# KiCad board ergodonk-elite-c.kicad_pcb (continued)
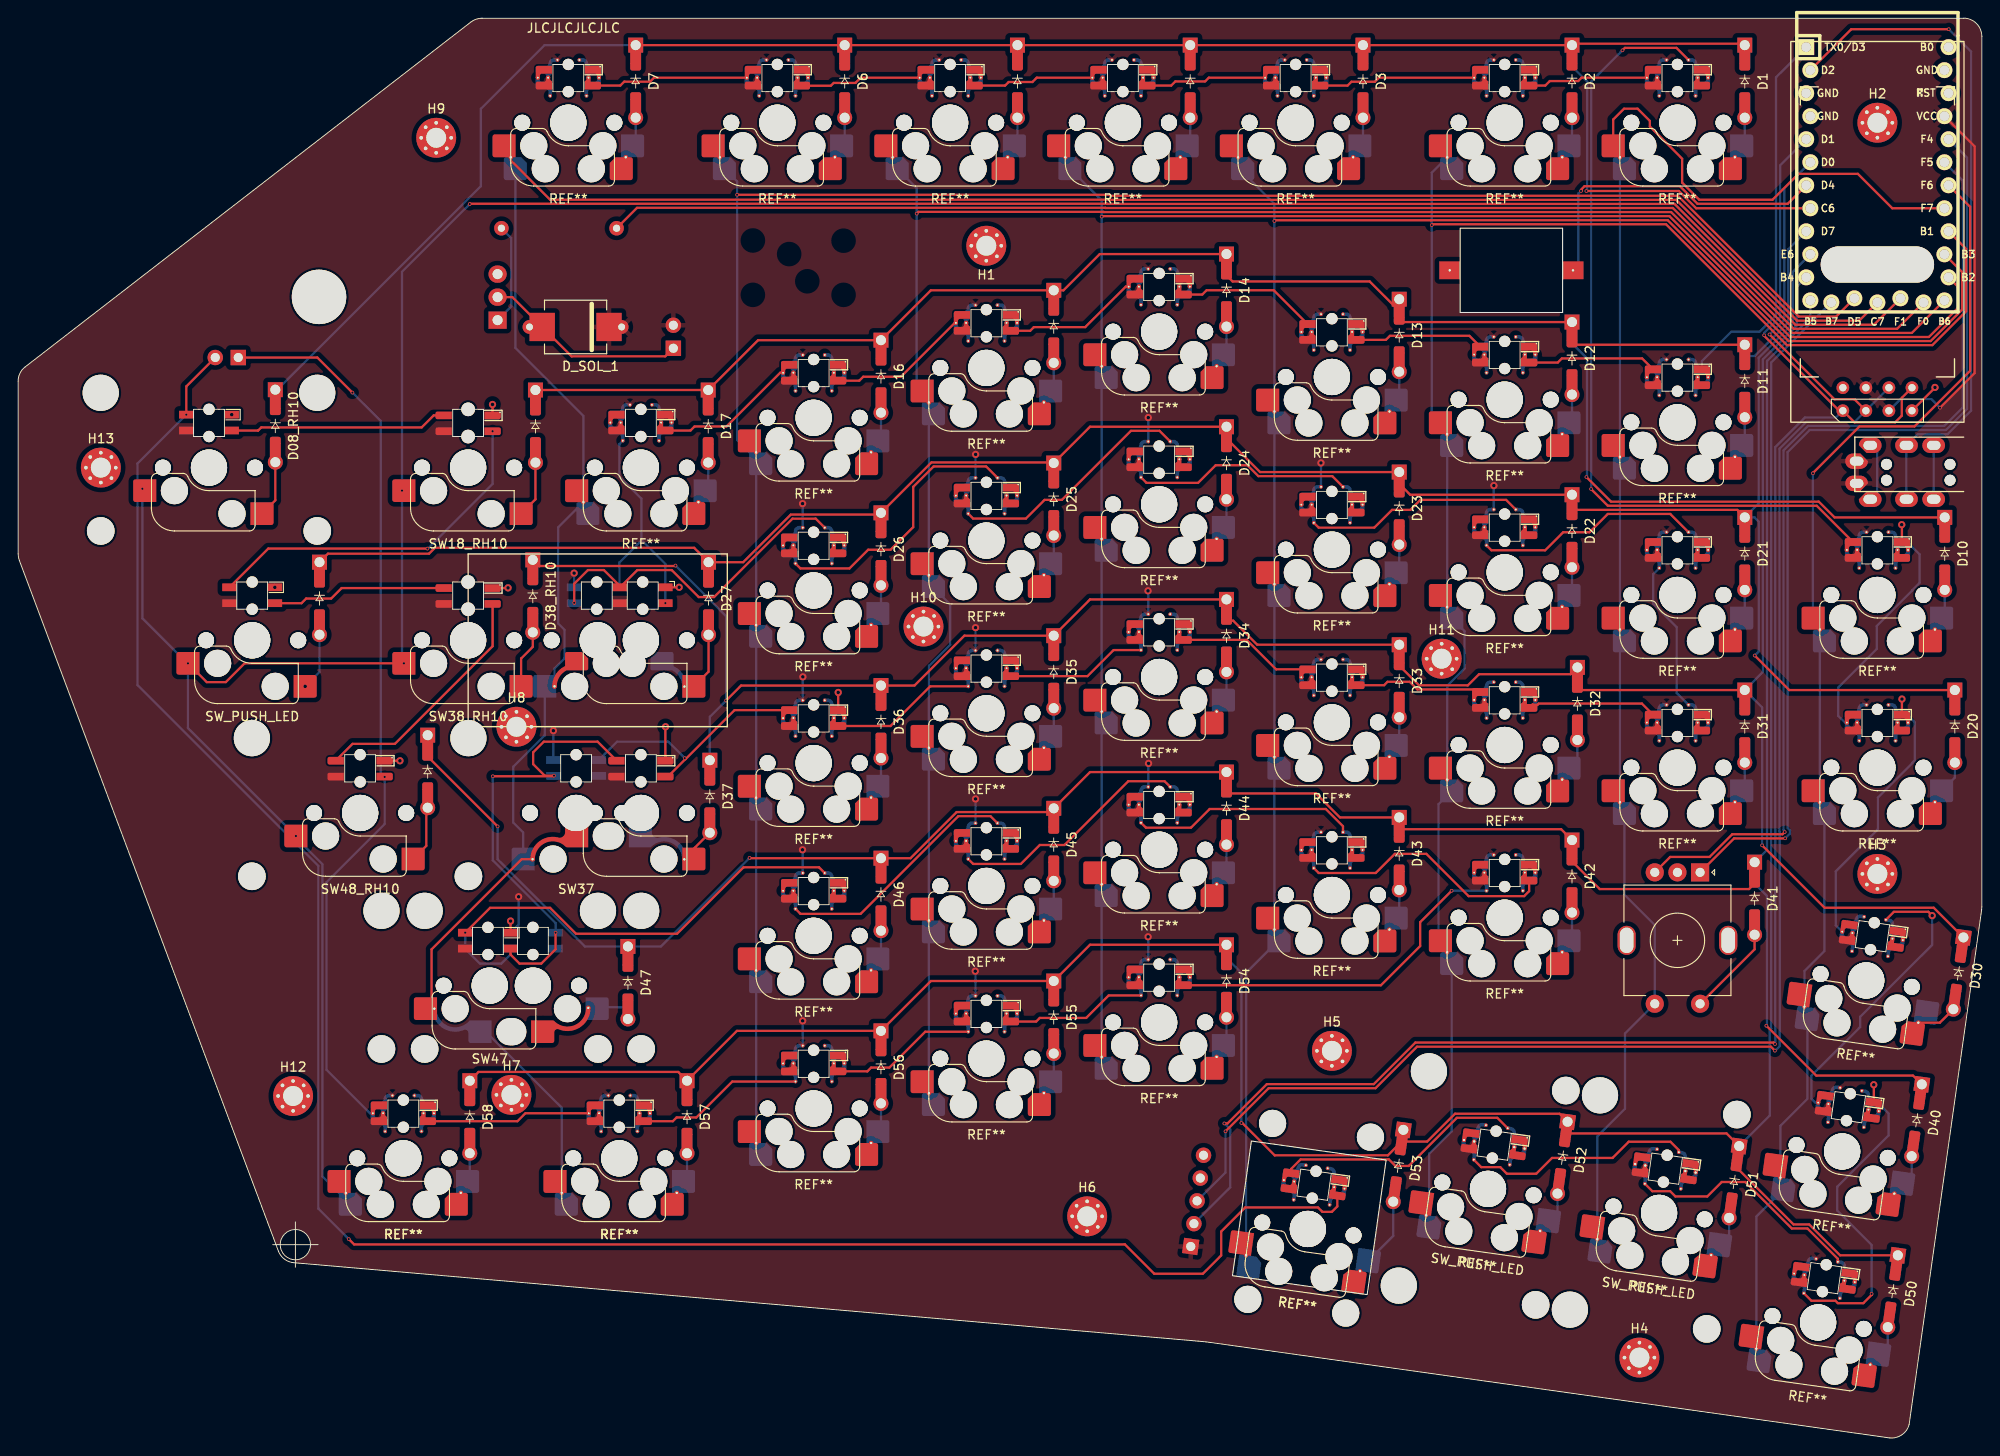
[diagram p0: board, top side]
## Footprints (pads in the part's own frame, mm; a bottom-side part is the same pattern mirrored in y, then rotated) (continued)
  custom 2.5x2.5 smd far side: 5(7.085,-2.54)
  round 0.5 hole 0.25: 5(11.933,-5.114) 6(-4.796,-5.102)
  rrect 2.55x2.5 smd: 5(12.986,-5.08)
  rrect 2.55x2.5 smd far side: 6(-5.842,-5.08)
  custom 2.5x2.5 smd: 6(0.059,-2.54)
V2_CherryMX_DoubleSided_Hotswap_miniE_2.25u_LH_2.75u_RH
  round 3.988 hole 3.988 unplated: (-11.938,7.931) (-7.176,7.931) (0,-0.324) (0,-0.324) (4.763,-0.324) (4.763,-0.324) (11.938,7.931) (16.701,7.931)
  round 3.048 hole 3.048 unplated: (-11.938,-7.309) (-7.176,-7.309) (11.938,-7.309) (16.701,-7.309)
  round 1.75 hole 1.75 unplated: (-5.08,-0.324) (-5.08,-0.324) (-0.318,-0.324) (-0.318,-0.324) (5.08,-0.324) (5.08,-0.324) (9.842,-0.324) (9.842,-0.324)
  round 3 hole 3 unplated: (-3.81,-2.864) (2.223,-5.404) (2.54,-5.404) (8.572,-2.864)
  round 1.25 hole 1.25 unplated: (-0.2,6.105) (-0.19,3.106) (4.763,6.105) (4.763,3.106)
  rect 1.6x0.85 smd: 1(-2.7,3.77) 2(-2.7,5.52) 3(2.3,5.52) 4(2.3,3.77)
  rect 1.6x0.85 smd far side: 1(2.263,5.52) 2(2.263,3.77) 3(7.263,3.77) 4(7.263,5.52)
  custom 6.551x4.116 smd: 5(5.842,-5.404)
  round 0.5 hole 0.25: 5(10.87,-2.78) 6(-6.107,-2.864)
  rrect 2.55x2.5 smd far side: 5(11.848,-2.864)
  rrect 2.55x2.5 smd: 6(-7.085,-2.864)
  custom 6.552x4.04 smd far side: 6(-1.079,-5.404)
V2_CherryMX_DoubleSided_Hotswap_miniE_2.25u_RH_ONLY
  round 3.988 hole 3.988 unplated: (-11.938,8.255) (0,0) (0,0) (11.938,8.255)
  round 3.048 hole 3.048 unplated: (-11.938,-6.985) (11.938,-6.985)
  round 1.75 hole 1.75 unplated: (-5.08,0) (-5.08,0) (5.08,0) (5.08,0)
  round 3 hole 3 unplated: (-3.81,-2.54) (2.54,-5.08)
  rrect 1.82x0.85 smd: (-2.69,4.015)
  rrect 1.82x0.84 smd: (-2.69,5.765) (2.69,4.02)
  round 1.25 hole 1.25 unplated: (0,6.429) (0,3.43)
  rect 1.38x0.84 smd: (2.47,5.77)
  rrect 1.49x0.84 smd: (2.855,5.77)
  custom 1.8x0.85 smd: 1(-2.7,4.015) 2(-2.7,5.765) 3(2.7,5.76) 4(2.7,4.015)
  rrect 2.55x2.5 smd: 5(5.842,-5.08) 6(-7.085,-2.54)
V2_CherryMX_DoubleSided_Hotswap_miniE_2u_RH_ONLY
  round 3.988 hole 3.988 unplated: (-11.938,8.255) (0,0) (0,0) (11.938,8.255)
  round 3.048 hole 3.048 unplated: (-11.938,-6.985) (11.938,-6.985)
  round 1.75 hole 1.75 unplated: (-5.08,0) (-5.08,0) (5.08,0) (5.08,0)
  round 3 hole 3 unplated: (-3.81,-2.54) (2.54,-5.08)
  round 1.25 hole 1.25 unplated: (0,6.43) (0,3.43)
  rect 1.6x0.85 smd: 1(-2.5,4.095) 2(-2.5,5.845) 3(2.5,5.845) 4(2.5,4.095)
  rrect 2.55x2.5 smd: 5(5.842,-5.08) 6(-7.085,-2.54)
V2_CherryMX_DoubleSided_Hotswap_miniE_2u_Vertical
  round 3.988 hole 3.988 unplated: (-8.255,11.938) (-8.255,-11.938) (0,0) (0,0)
  round 1.75 hole 1.75 unplated: (-5.08,0) (-5.08,0) (5.08,0) (5.08,0)
  round 3 hole 3 unplated: (-3.81,-2.54) (-2.54,-5.08) (2.54,-5.08) (3.81,-2.54)
  rrect 1.82x0.85 smd: (-2.69,5.845) (-2.69,4.095)
  rrect 1.82x0.84 smd: (-2.69,4.095) (2.69,5.84)
  rrect 1.83x0.85 smd: (-2.685,5.855) (2.685,4.095)
  round 1.25 hole 1.25 unplated: (0,6.43) (0,3.43)
  rect 1.38x0.84 smd: (2.47,5.85) (2.47,4.09)
  rrect 1.49x0.84 smd: (2.855,5.85) (2.855,4.09)
  round 3.048 hole 3.048 unplated: (6.985,11.938) (6.985,-11.938)
  custom 1.8x1.524 smd: 1(-2.7,4.095)
  custom 2.58x2.385 smd far side: 1(-2.7,5.845) 4(2.7,5.845)
  round 0.45 hole 0.25: 1(-2.234,4.969) 2(-3.368,4.97) 3(3.38,4.97) 4(2.225,4.97)
  round 0.4 hole 0.2: 1(-1.2,6.93) 2(-2,2.97) 3(2,2.97) 4(1.22,6.93)
  custom 1.805x2.425 smd far side: 2(-2.7,4.095) 3(2.7,4.1)
  custom 1.8x1.525 smd: 2(-2.693,5.845)
  custom 1.81x1.362 smd: 3(2.705,5.845)
  custom 1.81x1.525 smd: 4(2.7,4.095)
  rrect 2.543x2.52 smd: 5(5.838,-5.07)
  round 0.5 hole 0.25: 5(6.34,-3.81) 6(-6.34,-3.81)
  rrect 2.55x2.52 smd far side: 5(7.085,-2.55)
  rrect 2.55x2.52 smd: 6(-7.085,-2.55)
  rrect 2.553x2.52 smd far side: 6(-5.843,-5.07)
V2_CherryMX_DS_Hotswap_miniE_1U_SEED_RH
  round 1.75 hole 1.75 unplated: (-5.08,0) (-5.08,0) (5.08,0) (5.08,0)
  round 3 hole 3 unplated: (-3.81,-2.54) (2.54,-5.08)
  rrect 1.82x0.85 smd: (-2.69,4.015)
  rrect 1.82x0.84 smd: (-2.69,5.765) (2.69,4.02)
  round 1.5 hole 1.5 unplated: (0,6.429) (0,3.43)
  round 3.988 hole 3.988 unplated: (0,0) (0,0)
  rect 1.38x0.84 smd: (2.47,5.77)
  rrect 1.49x0.84 smd: (2.855,5.77)
  custom 1.8x0.85 smd: 1(-2.7,4.015) 2(-2.7,5.765) 3(2.7,5.76) 4(2.7,4.015)
  rrect 2.55x2.5 smd: 5(5.842,-5.08) 6(-7.085,-2.54)

## Nets
GND: J10.5 J11.2 LS10.2 OL10.4 Q1.3 SW1.3 SW2.3 SW3.3 SW4.3 SW5.3 SW6.3 SW7.3 SW08_RH10.3 SW10.3 SW11.3 SW12.3 SW13.3 SW14.3 SW15.3 SW16.3 SW17.3 SW18_RH10.3 SW20.3 SW21.3 SW22.3 SW23.3 SW24.3 SW25.3 SW26.3 SW27.3 SW28_RH10.3 SW30.3 SW31.3 SW32.3 SW33.3 SW34.3 SW35.3 SW36.3 SW37.3 SW38_RH10.3 SW40.3 SW42.3 SW43.3 SW44.3 SW45.3 SW46.3 SW47.3 SW48_RH10.3 SW50.3 SW51.3 SW52.3 SW53.3 SW54.3 SW55.3 SW56.3 SW57.3 SW58.3 SWLH_ROT1.C U10.3 U10.4 U10.23
VCC: D_SOL_1.C J10.1 J11.1 J_SOL_1.2 OL10.3 SW1.1 SW2.1 SW3.1 SW4.1 SW5.1 SW6.1 SW7.1 SW08_RH10.1 SW10.1 SW11.1 SW12.1 SW13.1 SW14.1 SW15.1 SW16.1 SW17.1 SW18_RH10.1 SW20.1 SW21.1 SW22.1 SW23.1 SW24.1 SW25.1 SW26.1 SW27.1 SW28_RH10.1 SW30.1 SW31.1 SW32.1 SW33.1 SW34.1 SW35.1 SW36.1 SW37.1 SW38_RH10.1 SW40.1 SW42.1 SW43.1 SW44.1 SW45.1 SW46.1 SW47.1 SW48_RH10.1 SW50.1 SW51.1 SW52.1 SW53.1 SW54.1 SW55.1 SW56.1 SW57.1 SW58.1 U10.21
col0: SW10.6 SW20.6 SW30.6 SW40.6 SW50.6 U10.18
col2: SW2.6 SW12.6 SW22.6 SW32.6 SW42.6 SW52.6 U10.16
col3: SW3.6 SW13.6 SW23.6 SW33.6 SW43.6 SW53.6 U10.15
col4: SW4.6 SW14.6 SW24.6 SW34.6 SW44.6 SW54.6 U10.14
col5: SW5.6 SW15.6 SW25.6 SW35.6 SW45.6 SW55.6 U10.13
col6: SW6.6 SW16.6 SW26.6 SW36.6 SW46.6 SW56.6 U10.26
col7: SW7.6 SW17.6 SW27.6 SW37.6 SW47.6 SW57.6 U10.27
col8: SW08_RH10.6 SW18_RH10.6 SW28_RH10.6 SW38_RH10.6 SW48_RH10.6 SW58.6 U10.28
DATA: J11.3 U10.2
encA: SWLH_ROT1.A U10.20
encB: SWLH_ROT1.B U10.19
LED: SW11.4 U10.1
row0: D1.1 D2.1 D3.1 D4.1 D5.1 D6.1 D7.1 D08_RH10.1 U10.8
row1: D10.1 D11.1 D12.1 D13.1 D14.1 D15.1 D16.1 D17.1 D18_RH10.1 U10.9
row2: D20.1 D21.1 D22.1 D23.1 D24.1 D25.1 D26.1 D27.1 D28_RH10.1 U10.10
row3: D30.1 D31.1 D32.1 D33.1 D34.1 D35.1 D36.1 D37.1 D38_RH10.1 U10.11
row4: D40.1 D41.1 D42.1 D43.1 D44.1 D45.1 D46.1 D47.1 D48_RH10.1 U10.12
row5: D50.1 D51.1 D52.1 D53.1 D54.1 D55.1 D56.1 D57.1 D58.1 U10.25
SCL: J10.3 OL10.2 U10.6
SDA: J10.2 OL10.1 U10.5
SOLENOID_CONTROL: R2.2 U10.29
SPEAKER: LS10.1 U10.7
SW41A: SW1.6 SW11.6 SW21.6 SW31.6 SW51.6 SWLH_ROT1.S1 U10.17
SW41B: D41.2 SWLH_ROT1.S2
Net-(D1-A): D1.2 SW1.5
Net-(D2-A): D2.2 SW2.5
Net-(D3-A): D3.2 SW3.5
Net-(D4-A): D4.2 SW4.5
Net-(D5-A): D5.2 SW5.5
Net-(D6-A): D6.2 SW6.5
Net-(D7-A): D7.2 SW7.5
Net-(D08_RH10-A): D08_RH10.2 SW08_RH10.5
Net-(D10-A): D10.2 SW10.5
Net-(D11-A): D11.2 SW11.5
Net-(D12-A): D12.2 SW12.5
Net-(D13-A): D13.2 SW13.5
Net-(D14-A): D14.2 SW14.5
Net-(D15-A): D15.2 SW15.5
Net-(D16-A): D16.2 SW16.5
Net-(D17-A): D17.2 SW17.5
Net-(D18_RH10-A): D18_RH10.2 SW18_RH10.5
Net-(D20-A): D20.2 SW20.5
Net-(D21-A): D21.2 SW21.5
Net-(D22-A): D22.2 SW22.5
Net-(D23-A): D23.2 SW23.5
Net-(D24-A): D24.2 SW24.5
Net-(D25-A): D25.2 SW25.5
Net-(D26-A): D26.2 SW26.5
Net-(D27-A): D27.2 SW27.5
Net-(D28_RH10-A): D28_RH10.2 SW28_RH10.5
Net-(D30-A): D30.2 SW30.5
Net-(D31-A): D31.2 SW31.5
Net-(D32-A): D32.2 SW32.5
Net-(D33-A): D33.2 SW33.5
Net-(D34-A): D34.2 SW34.5
Net-(D35-A): D35.2 SW35.5
Net-(D36-A): D36.2 SW36.5
Net-(D37-A): D37.2 SW37.5
Net-(D38_RH10-A): D38_RH10.2 SW38_RH10.5
Net-(D40-A): D40.2 SW40.5
Net-(D42-A): D42.2 SW42.5
Net-(D43-A): D43.2 SW43.5
Net-(D44-A): D44.2 SW44.5
Net-(D45-A): D45.2 SW45.5
Net-(D46-A): D46.2 SW46.5
Net-(D47-A): D47.2 SW47.5
Net-(D48_RH10-A): D48_RH10.2 SW48_RH10.5
Net-(D50-A): D50.2 SW50.5
Net-(D51-A): D51.2 SW51.5
Net-(D52-A): D52.2 SW52.5
Net-(D53-A): D53.2 SW53.5
Net-(D54-A): D54.2 SW54.5
Net-(D55-A): D55.2 SW55.5
Net-(D56-A): D56.2 SW56.5
Net-(D57-A): D57.2 SW57.5
Net-(D58-A): D58.2 SW58.5
Net-(J_SOL_1-Pin_1): D_SOL_1.A J_SOL_1.1 Q1.2
Net-(JP3-A): JP3.1 SW48_RH10.4 SW58.2
Net-(JP3-B): JP3.2 SW08_RH10.2 SW53.4
Net-(Q1-B): Q1.1 R2.1
Net-(SW1B-DOUT): SW1.2 SW2.4
Net-(SW2B-DOUT): SW2.2 SW3.4
Net-(SW3B-DOUT): SW3.2 SW4.4
Net-(SW4B-DOUT): SW4.2 SW5.4
Net-(SW5B-DOUT): SW5.2 SW6.4
Net-(SW6B-DOUT): SW6.2 SW7.4
Net-(SW08_RH10B-DIN): SW08_RH10.4 SW18_RH10.2
Net-(SW10B-DIN): SW10.4 SW20.2
Net-(SW10B-DOUT): SW1.4 SW10.2
Net-(SW11B-DOUT): SW11.2 SW12.4
Net-(SW12B-DOUT): SW12.2 SW13.4
Net-(SW13B-DOUT): SW13.2 SW14.4
Net-(SW14B-DOUT): SW14.2 SW15.4
Net-(SW15B-DOUT): SW15.2 SW16.4
Net-(SW16B-DOUT): SW16.2 SW17.4
Net-(SW17B-DOUT): SW17.2 SW27.4
Net-(SW18_RH10B-DIN): SW18_RH10.4 SW28_RH10.2
Net-(SW20B-DIN): SW20.4 SW30.2
Net-(SW21B-DIN): SW21.4 SW22.2
Net-(SW21B-DOUT): SW21.2 SW31.4
Net-(SW22B-DIN): SW22.4 SW23.2
Net-(SW23B-DIN): SW23.4 SW24.2
Net-(SW24B-DIN): SW24.4 SW25.2
Net-(SW25B-DIN): SW25.4 SW26.2
Net-(SW26B-DIN): SW26.4 SW27.2
Net-(SW28_RH10B-DIN): SW28_RH10.4 SW38_RH10.2
Net-(SW30B-DIN): SW30.4 SW40.2
Net-(SW31B-DOUT): SW31.2 SW32.4
Net-(SW32B-DOUT): SW32.2 SW33.4
Net-(SW33B-DOUT): SW33.2 SW34.4
Net-(SW34B-DOUT): SW34.2 SW35.4
Net-(SW35B-DOUT): SW35.2 SW36.4
Net-(SW36B-DOUT): SW36.2 SW37.4
Net-(SW37B-DOUT): SW37.2 SW47.4
Net-(SW38_RH10B-DIN): SW38_RH10.4 SW48_RH10.2
Net-(SW40B-DIN): SW40.4 SW50.2
Net-(SW42B-DIN): SW42.4 SW43.2
Net-(SW42B-DOUT): SW42.2 SW54.4
Net-(SW43B-DIN): SW43.4 SW44.2
Net-(SW44B-DIN): SW44.4 SW45.2
Net-(SW45B-DIN): SW45.4 SW46.2
Net-(SW46B-DIN): SW46.4 SW47.2
Net-(SW50B-DIN): SW50.4 SW51.2
Net-(SW51B-DIN): SW51.4 SW52.2
Net-(SW52B-DIN): SW52.4 SW53.2
Net-(SW54B-DOUT): SW54.2 SW55.4
Net-(SW55B-DOUT): SW55.2 SW56.4
Net-(SW56B-DOUT): SW56.2 SW57.4
Net-(SW57B-DOUT): SW57.2 SW58.4

Pads without a net: H1 1; H2 1; H3 1; H4 1; H5 1; H6 1; H7 1; H8 1; H9 1; H10 1; H11 1; H12 1; H13 1; J10 4; J11 4; SW7 2; U10 22 24

## Via types
v1: diameter 0.4, hole 0.25, Top to Bottom, 50 vias
v2: diameter 0.8, hole 0.4, Top to Bottom, 32 vias

## Routing (per net, layer and track width the routed paths; a pad name or vN(x,y) marks a point on that pad's centre or on a via; arc(x,y) is an arc through that point)
GND: length 28.9
  Top w0.25: v2(90.43,82.24) 90.42,82.23 SW36.3 ; SW10.3 207.73,100.72 v2(207.7,100.75) ; SW27.3 72.89,93.83 v2(72.89,93.84) ; v2(204.62,38.96) 204.63,38.95 SW40.3 ; SW48_RH10.3 42.1,74.7 v2(42.1,74.7) ; v2(52.31,114.01) 52.32,114 SW18_RH10.3 ; v2(71.39,78.45) 71.37,78.43 SW37.3 ; SW38_RH10.3 53.99,93.75 v2(54.02,93.78) ; v2(207.73,81.51) 207.73,81.5 SW20.3 ; SW47.3 54.3,57.02 v2(54.3,57.02) ; OL10.4 211.37,115.86 v2(211.37,115.89)
  Bottom w0.25: J11.2 204.99,108.74 204.99,104.32 204.23,103.55
  vias: v2(23.55,112.89) v2(28.31,93.83)
VCC: length 87.9
  Top w0.25: v1(211.92,113.65) 215.74,117.46 215.74,142.48 U10.21 ; J11.1 202.46,108.02
  Bottom w0.25: SW47.1 54.3,55.73 55.19,56.62 v2(55.19,59.7) ; v1(211.92,113.65) 210.98,114.59 207.56,114.59 OL10.3 ; SW44.1 124.62,74.38 v2(124.65,74.41) ; v2(143.66,107.56) 143.67,107.55 SW23.1 ; SW54.1 124.62,55.26 v2(124.6,55.28) ; SW35.1 v2(105.57,89.39) ; v2(86.5,103.07) 86.52,103.05 SW26.1 ; SW34.1 124.62,93.42 v2(124.59,93.45) ; SW27.1 v2(61.31,95.4) ; SW45.1 v2(105.57,70.49) ; SW55.1 105.57,51.46 v2(105.54,51.49) ; v2(86.49,64.88) 86.52,64.85 SW46.1 ; SW22.1 162.72,105.05 v2(162.73,105.06) ; v2(105.58,108.5) 105.57,108.49 SW25.1 ; v2(59.02,78.02) 59.03,78.01 SW37.1 ; SW56.1 86.52,46 v2(86.51,46.01) ; v2(86.53,83.96) 86.52,83.95 SW36.1 ; SW24.1 v2(124.62,112.56)
col0: length 138.8
  Top w0.25: v1(197.91,106.42) 197.91,106.45 203.05,111.59 209.11,111.59 215.25,117.72 215.25,135.81 U10.18
  Bottom w0.25: SW10.6 197.91,89.95 v1(197.91,106.42) ; SW40.6 194.33,34.43 197.29,37.39 SW30.6 ; SW40.6 191.68,24.42 SW50.6 ; 198.68,87.42 SW20.6 199.18,69.63 ; SW20.6 199.18,53.71 196.98,51.51 SW30.6
col2: length 195.5
  Top w0.25: v1(155.88,133.79) 155.98,133.88 181.72,133.88 195.05,120.55 211.08,120.55 214.8,124.28 214.8,131.18 U10.16
  Bottom w0.25: SW42.6 158.08,33.83 155.59,31.34 SW52.6 ; SW42.6 156.63,54.53 156.63,69.92 SW32.6 ; SW22.6 159.5,89 159.5,84.87 157.59,82.97 157.59,71.86 ; SW22.6 SW12.6 155.88,112.43 155.88,139.58 SW2.6
col3: length 212.2
  Top w0.25: U10.15 214.35,128.63 214.35,124.47 210.89,121 195.23,121 181.9,134.33 155.79,134.33 155.78,134.33 138.61,134.33 v1(138.53,134.25)
  Bottom w0.25: SW53.6 135.41,51.31 138.53,54.43 SW43.6 SW33.6 SW23.6 138.53,113.54 ; 138.53,113.54 138.53,136.13 135.03,139.63 ; 138.53,113.54 SW13.6
col4: length 204.5
  Top w0.25: v1(119.48,134.73) 119.54,134.78 182.09,134.78 195.42,121.45 210.7,121.45 213.9,124.65 213.9,127 U10.14
  Bottom w0.25: SW4.6 119.48,136.52 SW14.6 SW24.6 SW34.6 SW44.6 SW54.6
col5: length 225.8
  Top w0.25: v1(99.08,135.06) 99.27,135.25 119.7,135.25 119.72,135.23 182.28,135.23 195.61,121.9 208.82,121.9 U10.13
  Bottom w0.25: SW5.6 99.08,137.87 99.08,115.58 SW15.6 SW25.6 100.43,94.3 102.77,91.96 102.77,87.5 100.43,85.16 SW35.6 SW45.6 SW55.6
col6: length 239
  Top w0.25: v1(79.28,137.14) 120.35,137.14 120.46,137.03 183.02,137.03 196.35,123.7 200.46,123.7 U10.26
  Bottom w0.25: SW56.6 SW46.6 SW36.6 SW26.6 SW16.6 80.63,108.73 79.28,110.08 79.28,138.62 SW6.6
col7: length 284.6
  Top w0.25: U10.27 203.01,123.25 196.16,123.25 182.83,136.58 120.27,136.58 120.26,136.6 58.66,136.6 54.33,140.93 SW7.6 ; SW37.6 55.53,63.84 45.59,53.9 45.59,48.02
  Bottom w0.25: SW37.6 55.68,66.79 54.6,67.87 54.6,74.04 58.07,77.51 SW27.6 ; SW57.6 59.95,36.42 51.56,44.81 ; SW7.6 54.83,120.25 62.33,112.75 SW17.6 59.55,100.45 59.55,89.84 60.24,89.15 60.24,85.98 59.15,84.89 SW27.6
col8: length 332.4
  Top w0.25: v1(49.8,136.12) 49.83,136.15 120.07,136.15 120.09,136.13 182.65,136.13 195.98,122.8 204.64,122.8 U10.28 ; v1(42.53,85.45) 24.97,85.45 22.9,83.38 20.79,83.38 v1(18.72,85.45)
  Bottom w0.25: v1(42.53,85.45) 42.33,85.65 v1(42.33,104.5) 42.33,128.65 v1(49.8,136.12) ; SW58.6 33.55,28.85 33.55,63.29 30.63,66.21 v1(30.63,66.4) 18.72,78.31 v1(18.72,85.45) 18.67,85.45 13.7,90.42 v1(13.7,104.71)
DATA: length 74.9
  Top w0.25: U10.2 202.15,155.41 v1(212.89,155.41)
  Bottom w0.25: v1(212.89,155.41) 215.35,152.95 215.35,113.33 212.76,110.74 212.57,110.74 212.55,110.72 209.45,110.72 208.21,109.48 208.21,103.53
encA: length 106.2
  Top w0.25: SWLH_ROT1.A 189.22,66.14 194.84,66.14 v1(194.85,66.15)
  Bottom w0.25: v1(194.85,66.15) 195.38,66.68 195.38,67.01 195.12,67.27 195.12,108.76 197.55,111.19 212.58,111.19 214.9,113.51 214.9,141.24 U10.20
encB: length 108
  Top w0.25: SWLH_ROT1.B 182.17,64.09 186.51,64.09 189.01,66.59 194.55,66.59 v1(194.8,66.84)
  Bottom w0.25: U10.19 214.45,138.69 214.45,113.7 212.39,111.64 197.36,111.64 194.67,108.94 194.67,67.08 194.72,67.04 194.72,66.92 v1(194.8,66.84)
LED: length 42.1
  Bottom w0.25: U10.1 193.84,150.1 193.84,123.85 192.02,122.03 188.9,122.03 185.67,118.8 SW11.4
row0: length 222.2
  Top w0.25: 171.51,153.81 190.23,153.81 ; D7.1 D6.1 D5.1 D4.1 D3.1 D2.1 ; U10.8 185.04,135.65 183.13,137.56 v1(172.94,137.56)
  Bottom w0.25: D2.1 173.01,149.64 173.01,137.63 v1(172.94,137.56) ; D7.1 58.04,153.65 51.03,146.64 51.03,138.1 28.57,115.64
row1: length 216.2
  Top w0.25: D18_RH10.1 D17.1 81.59,121.1 D16.1 100.64,126.6 D15.1 115.27,126.6 119.27,130.6 D14.1 ; 171.5,120.6 D11.1 ; D13.1 149.03,127.58 133.92,127.58 D14.1 ; 211.99,100.71 212.44,101.16 D10.1 200.29,101.55 198.56,103.29 175.65,103.29 v1(172.94,106) ; 152.46,123.1 D12.1
  Bottom w0.25: U10.9 195.2,131.14 195.2,123.06 191.49,119.35 190.13,119.35 ; D12.1 173,119.1 173,106.06 v1(172.94,106)
row2: length 239
  Top w0.25: D20.1 195.3,82.5 v1(191.49,86.31) ; D23.1 136.94,106.55 D24.1 ; D24.1 118.2,111.55 D25.1 ; D28_RH10.1 34.17,97.55 45.31,97.55 45.96,98.19 74.54,98.19 D27.1 79.95,96.61 85.2,101.86 94.95,101.86 D26.1 100.71,107.62 114.13,107.62 ; D23.1 153.5,104.05 D22.1 ; D21.1 189.57,102.38 171.72,102.38
  Bottom w0.25: U10.10 195.68,128.62 195.68,122.91 191.93,119.16 191.93,103.09 D21.1 191.47,101.55 191.94,101.08 191.94,86.76 v1(191.49,86.31)
row3: length 252.8
  Top w0.25: D31.1 172.09,82.5 ; D32.1 171.19,84.25 161.09,84.25 159.86,83.02 154.48,83.02 152.34,85.15 ; v1(192.31,65.37) 199.19,58.49 211.23,58.49 D30.1 ; D34.1 133.99,90.15 136.63,87.51 152.29,87.51 ; D34.1 118.2,92.5 D35.1 104.34,88.5 98.84,83 D36.1 79.72,83 v1(78.07,81.35) ; v1(72.48,96.23) 72.44,96.19 57.43,96.19 D38_RH10.1
  Bottom w0.25: v1(192.31,65.37) 192.31,80.59 D31.1 192.39,84.5 192.39,118.98 196.13,122.72 196.13,126.99 U10.11 ; v1(72.48,96.23) 78.07,90.65 v1(78.07,81.35) 76.27,79.55 D37.1
row4: length 269.5
  Top w0.25: 171.35,63.6 174.4,60.55 190.87,60.55 D41.1 ; 113.78,69.04 103.49,69.04 98.4,63.95 D46.1 80.69,63.95 v1(80.66,63.99) ; D43.1 145.75,68.45 143.1,71.1 133.25,71.1 ; D40.1 208.95,39.97 198.28,39.97 v1(192.78,45.47) ; D42.1 170.14,67.15 D43.1 ; D48_RH10.1 v1(52.87,67.46) ; D48_RH10.1 45.16,75.03 ; D44.1 118.2,73.45 D45.1
  Bottom w0.25: v1(192.78,45.47) 192.84,45.53 192.84,59.8 D41.1 ; U10.12 197.63,123.59 192.85,118.81 192.85,64.88 D41.1 ; v1(52.87,67.46) 52.87,63.84 62.49,54.21 D47.1 70.88,54.21 v1(80.66,63.99)
row5: length 287.9
  Top w0.25: D51.1 188.38,33.59 D52.1 ; D52.1 169.98,35.76 158.44,35.76 155.38,32.69 D53.1 151.04,31.17 138.56,31.17 134.99,34.74 v1(134.89,34.74) ; D50.1 200.9,20.14 197.5,23.55 195.77,23.55 D51.1 ; D58.1 50.77,40.37 72.79,40.37 D57.1 79.26,44.9 D56.1 100.64,50.4 D55.1 118.2,54.4 D54.1
  Bottom w0.25: D51.1 193.15,35.56 193.15,45.02 193.3,45.17 193.3,118.62 U10.25 ; v1(134.89,34.74) 134.89,51.31 133.25,52.95
SCL: length 190.1
  Top w0.25: v1(193.13,121.73) 200.28,114.58 202.49,114.58 OL10.2 ; v1(193.72,42.72) 193.28,43.16 154.26,43.16 149.68,38.58 137.9,38.58 v1(133.14,33.82)
  Bottom w0.25: v1(193.13,121.73) 194.75,123.36 194.75,137.85 U10.6 ; v1(133.14,33.82) 133.14,29.28 J10.3 ; OL10.2 OL10.2 202.52,112.09 197.18,112.09 194.22,109.13 194.22,66.9 194.26,66.86 194.26,43.23 193.75,42.72 v1(193.72,42.72)
SDA: length 198.6
  Top w0.25: OL10.1 202.49,112.04 206.98,112.04 207.71,112.77 207.71,114.74 OL10.1 ; 200.8,113.32 192.53,121.58 v1(192.53,121.64) ; v1(133.01,34.69) 133.36,34.69 137.7,39.03 149.49,39.03 154.07,43.61 193.57,43.61 v1(193.73,43.45)
  Bottom w0.25: OL10.1 200.46,112.57 197.02,112.57 193.75,109.3 193.75,43.47 v1(193.73,43.45) ; J10.2 133.66,27.64 133.66,34.04 v1(133.01,34.69) ; v1(192.53,121.64) 192.53,121.89 194.3,123.66 194.3,140.4 U10.5
SOLENOID_CONTROL: length 151.8
  Top w0.25: R2.2 68.24,135.7 119.88,135.7 119.9,135.68 182.46,135.68 195.79,122.35 207.19,122.35 U10.29
SPEAKER: length 35.4
  Top w0.25: U10.7 195.13,136.15 185.18,136.15 183.24,138.09 172.73,138.09 172.41,137.77 172.41,137.64 v1(172.34,137.56)
  Bottom w0.25: v1(172.34,137.56) 172.04,137.26 172.04,129.11
SW41A: length 169.1
  Top w0.25: U10.17 206.67,135.65 202.87,139.45 196.31,139.45 193.46,136.6 185.37,136.6 183.49,138.48 183.49,141.12 179.93,144.68 179.93,145.29 178.58,146.64 177.08,146.64 175.88,145.44 SW1.6
  Bottom w0.25: SW31.6 177.13,59.91 180.47,56.57 SWLH_ROT1.S1 177.19,44.61 177.19,36.31 174.14,33.26 SW51.6 ; 176.63,139.52 SW11.6 SW21.6 SW31.6
SW41B: length 10.1
  Top w0.25: SWLH_ROT1.S2 191.48,53.9 D41.2
Net-(D1-A): length 2.8
  Bottom w0.25: 190.39,145.65 190.39,142.89
Net-(D2-A): length 2.8
  Bottom w0.25: 171.35,145.65 171.35,142.89
Net-(D3-A): length 2.8
  Bottom w0.25: 148.3,145.65 148.3,142.89
Net-(D4-A): length 2.8
  Bottom w0.25: 129.25,145.65 129.25,142.89
Net-(D5-A): length 2.8
  Bottom w0.25: 110.2,145.65 110.2,142.89
Net-(D6-A): length 2.8
  Bottom w0.25: 91.14,145.65 91.14,142.89
Net-(D7-A): length 2.8
  Bottom w0.25: 68.09,145.65 68.09,142.89
Net-(D08_RH10-A): length 6.3
  Top w0.25: SW08_RH10.5 28.36,103.43 D08_RH10.2
Net-(D10-A): length 2.8
  Bottom w0.25: D10.2 212.44,90.79
Net-(D11-A): length 2.8
  Bottom w0.25: D11.2 190.39,109.84
Net-(D12-A): length 2.8
  Bottom w0.25: D12.2 171.35,112.34
Net-(D13-A): length 2.8
  Bottom w0.25: D13.2 152.3,114.84
Net-(D14-A): length 2.8
  Bottom w0.25: D14.2 133.25,119.84
Net-(D15-A): length 2.8
  Bottom w0.25: D15.2 114.2,115.84
Net-(D16-A): length 2.8
  Bottom w0.25: D16.2 95.14,110.34
Net-(D17-A): length 2.8
  Bottom w0.25: D17.2 76.09,104.84
Net-(D18_RH10-A): length 6.3
  Top w0.25: D18_RH10.2 57.05,103.54 SW18_RH10.5
Net-(D20-A): length 3.7
  Bottom w0.25: SW20.5 213.56,72.84 D20.2
Net-(D21-A): length 2.8
  Bottom w0.25: D21.2 190.39,90.79
Net-(D22-A): length 2.8
  Bottom w0.25: D22.2 171.35,93.29
Net-(D23-A): length 2.8
  Bottom w0.25: D23.2 152.3,95.79
Net-(D24-A): length 2.8
  Bottom w0.25: D24.2 133.25,100.79
Net-(D25-A): length 2.8
  Bottom w0.25: D25.2 114.2,96.79
Net-(D26-A): length 2.8
  Bottom w0.25: D26.2 95.14,91.29
Net-(D27-A): length 6.4
  Top w0.25: SW27.5 76.13,84.53 D27.2
Net-(D28_RH10-A): length 6.4
  Bottom w0.25: v2(31.65,82.91) 33.23,84.49 D28_RH10.2
Net-(D30-A): length 4.5
  Top w0.25: D30.2 211.91,45.81 SW30.5
Net-(D31-A): length 2.8
  Bottom w0.25: D31.2 190.39,71.74
Net-(D32-A): length 2.2
  Bottom w0.25: D32.2 171.94,74.82
Net-(D33-A): length 2.8
  Bottom w0.25: D33.2 152.3,76.73
Net-(D34-A): length 2.8
  Bottom w0.25: D34.2 133.25,81.73
Net-(D35-A): length 2.8
  Bottom w0.25: D35.2 114.2,77.73
Net-(D36-A): length 2.8
  Bottom w0.25: D36.2 95.14,72.24
Net-(D37-A): length 4.4
  Top w0.25: D37.2 74.51,65 SW37.5 ; 74.71,65.2 74.71,64.43
Net-(D38_RH10-A): length 6.5
  Top w0.25: SW38_RH10.5 55.46,85.98 56.75,87.27 D38_RH10.2
Net-(D40-A): length 2.8
  Bottom w0.25: D40.2 208.8,29.1 208.19,28.49
Net-(D42-A): length 2.8
  Bottom w0.25: D42.2 171.35,55.19
Net-(D43-A): length 2.8
  Bottom w0.25: D43.2 152.3,57.69
Net-(D44-A): length 2.8
  Bottom w0.25: D44.2 133.25,62.69
Net-(D45-A): length 2.8
  Bottom w0.25: D45.2 114.2,58.69
Net-(D46-A): length 2.8
  Bottom w0.25: D46.2 95.14,53.19
Net-(D47-A): length 2.5
  Bottom w0.25: D47.2 64.74,47.51
Net-(D48_RH10-A): length 6.1
  Top w0.25: SW48_RH10.5 45.01,65.31 45.01,69.37
Net-(D50-A): length 2.9
  Bottom w0.25: 205.54,9.63 206.16,10.25 D50.2
Net-(D51-A): length 2.8
  Bottom w0.25: D51.2 188.67,22.38 188,21.71
Net-(D52-A): length 2.8
  Bottom w0.25: D52.2 169.74,24.97 169.14,24.36
Net-(D53-A): length 7.7
  Bottom w0.25: D53.2 151.63,22.29 SW53.5
Net-(D54-A): length 2.8
  Bottom w0.25: D54.2 133.25,43.64
Net-(D55-A): length 2.8
  Bottom w0.25: D55.2 114.2,39.64
Net-(D56-A): length 2.8
  Bottom w0.25: D56.2 95.14,34.14
Net-(D57-A): length 2.7
  Bottom w0.25: D57.2 73.76,28.69
Net-(D58-A): length 2.9
  Bottom w0.25: D58.2 49.8,28.54
Net-(J_SOL_1-Pin_1): length 22.5
  Top w0.25: J_SOL_1.1 71.36,119.32 61.03,119.32 D_SOL_1.A 54.5,125.85 Q1.2
Net-(JP3-A): length 100.1
  Top w0.25: v1(36.86,115.32) 32.99,119.19 JP3.1
  Bottom w0.25: SW58.2 38.79,35.81 34,40.6 34,61.31 40.42,67.73 v1(40.42,72.92) 39.99,73.35 39.99,112.19 v1(36.86,115.32)
Net-(JP3-B): length 227.3
  Top w0.25: v1(18.55,112.88) 18.55,116 21.73,119.19 ; v1(36.46,21.93) 37.04,21.35 122.04,21.35 125.28,18.11 130.64,18.11 132.66,20.13 132.66,22.77 135.31,25.42 143.34,25.42 143.83,24.93 144.86,24.93 145.47,25.54 SW53.4
  Bottom w0.25: v1(18.55,112.88) 13.16,107.5 13.16,83.05 33.1,63.11 33.1,25.29 v1(36.46,21.93)
Net-(Q1-B): length 11.2
  Bottom w0.25: Q1.1 54.37,124.81 54.37,132.37 R2.1
Net-(SW1B-DOUT): length 13.3
  Top w0.25: SW1.2 172.4,150.06 172.03,149.69 168.9,149.69 168.39,149.18 SW2.4
Net-(SW2B-DOUT): length 17.3
  Top w0.25: SW2.2 150.06,150.06 149.61,149.61 147.02,149.61 146.59,149.18 SW3.4
Net-(SW3B-DOUT): length 13.3
  Top w0.25: SW3.2 131.3,150.06 130.89,149.65 127.61,149.65 127.14,149.18 SW4.4
Net-(SW4B-DOUT): length 13.3
  Top w0.25: SW4.2 112.32,150.06 111.84,149.58 109.22,149.58 108.82,149.18 SW5.4
Net-(SW5B-DOUT): length 13.3
  Top w0.25: 86.43,149.17 89.62,149.17 89.93,149.48 92.33,149.48 92.91,150.06 SW5.2
Net-(SW6B-DOUT): length 17.3
  Top w0.25: SW7.4 66.39,149.18 66.83,149.62 69.68,149.62 70.12,150.06 SW6.2
Net-(SW08_RH10B-DIN): length 24.1
  Top w0.25: SW18_RH10.2 45.82,112.8 44.5,111.48 26.81,111.48 26.45,111.12 26.44,111.13 SW08_RH10.4
Net-(SW10B-DIN): length 25.8
  Bottom w0.25: SW20.2 200.7,79.65 200.7,82.79 204.95,87.04 204.95,89.57 208.85,93.47 208.85,93.51 209.67,94.33 209.67,97.47 208.31,98.83
Net-(SW10B-DOUT): length 89.1
  Top w0.25: SW10.2 198.32,102.84 175.29,102.84 v1(173.45,104.68) ; v1(176.91,153.08) 177.18,153.35 182.86,153.35 SW1.4
  Bottom w0.25: v1(176.91,153.08) 173.46,149.63 173.46,104.69 v1(173.45,104.68)
Net-(SW11B-DOUT): length 14.3
  Top w0.25: SW12.4 169.77,118.63 170.23,119.09 179.07,119.09 SW11.2
Net-(SW12B-DOUT): length 14.3
  Top w0.25: SW13.4 150.82,121.13 151.27,121.58 160.03,121.58 SW12.2
Net-(SW13B-DOUT): length 15.4
  Top w0.25: 142.18,122.88 138.45,126.61 131.05,126.61 130.57,126.13 SW14.4
Net-(SW14B-DOUT): length 15
  Top w0.25: SW14.2 122.13,127.01 117.66,122.54 112,122.54 111.59,122.13 SW15.4
Net-(SW15B-DOUT): length 15.6
  Top w0.25: SW15.2 103.28,123.01 97.35,117.07 93.19,117.07 92.75,116.63 SW16.4
Net-(SW16B-DOUT): length 15.6
  Top w0.25: SW17.4 74.14,111.13 74.59,111.58 78.1,111.58 84.03,117.51 SW16.2
Net-(SW17B-DOUT): length 26.4
  Bottom w0.25: 68.73,99.01 66.31,96.59 SW27.4 ; 68.73,99.01 68.73,103.62 66.3,106.05 66.3,109.64 SW17.2 ; 68.73,99.01 68.77,99.01 71.37,96.41 v1(71.37,92.08)
Net-(SW18_RH10B-DIN): length 39.5
  Top w0.25: v1(45.13,98.11) 27.58,98.11 SW28_RH10.2
  Bottom w0.25: v1(45.13,98.11) 45.18,98.11 52.32,105.25 v1(52.32,111.05)
Net-(SW20B-DIN): length 28.2
  Bottom w0.25: 201.12,55.85 200.43,56.54 200.43,62.5 205.08,67.15 205.08,70.65 208.85,74.42 208.85,74.46 209.14,74.75 209.14,78.95 208.31,79.78
Net-(SW21B-DIN): length 25
  Top w0.25: SW21.4 182.18,101.93 175.29,101.93 173.27,99.91 170.37,99.91 168.38,97.92 162.46,97.92 SW22.2
Net-(SW21B-DOUT): length 17
  Bottom w0.25: SW31.4 182.89,82.17 182.89,89.44 180.29,92.04 180.29,95.28 SW21.2
Net-(SW22B-DIN): length 24.2
  Top w0.25: SW23.2 143.41,100.42 149.54,100.42 151.5,102.38 153.53,102.38 154.63,103.48 164.08,103.48 SW22.4
Net-(SW23B-DIN): length 24.3
  Top w0.25: SW24.2 124.42,105.36 130.11,105.36 132.05,107.3 135.56,107.3 136.76,106.1 144.91,106.1 SW23.4
Net-(SW24B-DIN): length 27
  Top w0.25: SW25.2 105.31,101.42 111.12,101.42 113.18,103.48 115.09,103.48 122.71,111.1 125.86,111.1 SW24.4
Net-(SW25B-DIN): length 30.3
  Top w0.25: SW26.2 86.26,95.92 91.67,95.92 93.73,97.98 96.2,97.98 98.7,100.48 98.7,104.92 100.95,107.17 106.74,107.17 SW25.4
Net-(SW26B-DIN): length 37.2
  Top w0.25: 61.32,92.03 v1(61.32,92.13) 61.32,94.23 62.83,95.74 64.59,95.74 66.37,93.96 ; SW27.2 68.27,95.74 72.07,95.74 75.05,92.76 76.74,92.76 85.39,101.41 87.95,101.41 SW26.4
Net-(SW28_RH10B-DIN): length 19.3
  Top w0.25: SW38_RH10.2 35.67,93.75 34.52,92.6 31.76,92.6 31.24,92.08 SW28_RH10.4
Net-(SW30B-DIN): length 33.1
  Top w0.25: v2(211.06,57.62) 210.64,58.04 206.84,58.04 SW30.4
  Bottom w0.25: 208.14,55.88 SW30.4 ; v2(211.06,57.62) 211.06,54.39 203.12,46.45 203.12,45.33 197.74,39.95 197.74,37.42 198.17,36.99 SW40.2
Net-(SW31B-DOUT): length 14.4
  Top w0.25: SW32.4 167.01,80.92 167.07,80.86 167.53,80.86 167.68,81.01 179.05,81.01 SW31.2
Net-(SW32B-DOUT): length 13.9
  Top w0.25: 160.94,82.57 154.29,82.57 153.45,83.41 151,83.41 150.62,83.03 SW33.4
Net-(SW33B-DOUT): length 15
  Top w0.25: SW34.4 135.47,88.03 138.72,84.78 142.18,84.78
Net-(SW34B-DOUT): length 15.5
  Top w0.25: SW35.4 117.91,84.03 120.79,86.91 SW34.2
Net-(SW35B-DOUT): length 16.2
  Top w0.25: SW35.2 100.57,82.91 96.19,78.53 SW36.4
Net-(SW36B-DOUT): length 27.6
  Top w0.25: 71.16,73.03 70.92,73.03 ; SW36.2 78.99,80.28 73.57,74.86 73.56,74.86 71.73,73.03
  Bottom w0.25: v1(73.51,74.99) 71.69,76.81 66.05,76.81 SW37.4
Net-(SW37B-DOUT): length 50
  Top w0.25: v1(59.26,55.73) 59.26,53.9 57.68,52.32 55.29,52.32 54.3,53.31 SW47.4 ; 65.92,74.78 63.9,76.81 57.97,76.81 56.79,75.63 56.79,74.33 58.06,73.06 v1(59.09,73.06) 59.02,72.99 v1(52.34,72.99)
  Bottom w0.25: v1(52.34,72.99) 52.34,63.72 59.26,56.8 v1(59.26,55.73)
Net-(SW38_RH10B-DIN): length 27.2
  Top w0.25: SW48_RH10.2 36.88,76.57 41.55,76.57 52.32,87.34 SW38_RH10.4
Net-(SW40B-DIN): length 34
  Top w0.25: v1(204.38,15.89) 204.4,15.87 204.4,15.79 203.47,14.86 200.66,14.86 200.39,15.13 197.74,15.13 SW50.2
  Bottom w0.25: 205.03,37.01 206.26,35.79 206.26,33.37 200.59,27.7 200.59,25.08 204.38,21.29 v1(204.38,15.89)
Net-(SW42B-DIN): length 28.2
  Top w0.25: SW42.4 166.62,60.32 166.07,59.76 159.95,59.76 155.28,64.43 151.81,64.43 149.7,62.32 143.41,62.32 SW43.2
Net-(SW42B-DOUT): length 39.3
  Top w0.25: v1(158.07,60.36) 154.6,56.89 154.6,54.26 150.27,49.93 SW54.4
  Bottom w0.25: SW42.2 v1(158.07,60.36)
Net-(SW43B-DIN): length 24.8
  Top w0.25: SW44.2 124.36,67.32 129.33,67.32 131.39,69.38 144.19,69.38 146.09,67.48 SW43.4
Net-(SW44B-DIN): length 26.5
  Top w0.25: SW45.2 105.31,63.32 110.57,63.32 112.66,65.41 115.38,65.41 122.41,72.44 126.42,72.44 SW44.4
Net-(SW45B-DIN): length 27.3
  Top w0.25: SW45.4 107.22,68.59 103.68,68.59 92.9,57.81 86.27,57.81 SW46.2
Net-(SW46B-DIN): length 53.8
  Top w0.25: SW46.4 88.31,62.94 79.98,62.94 72.66,55.62 61.51,55.62 58.65,58.48 52.04,58.48 v1(49.3,55.73)
  Bottom w0.25: v1(49.3,55.73) 49.3,53.94 50.92,52.32 53.27,52.32 54.26,53.31 SW47.2
Net-(SW50B-DIN): length 26.4
  Top w0.25: SW50.4 200.66,19.75 197.31,23.1 195.58,23.1 190.45,28.23 187.86,28.23 186.26,26.63 182.75,26.63 182.17,27.21 180.2,27.21 SW51.2
Net-(SW51B-DIN): length 25.3
  Top w0.25: SW52.2 161.34,29.87 163.43,29.87 164.16,29.14 167.4,29.14 169.14,30.88 175.81,30.88 177.6,32.67 182.2,32.67 183.12,31.75 SW51.4
Net-(SW52B-DIN): length 27.8
  Top w0.25: SW52.4 163.11,35.31 158.65,35.31 153.34,30 151.87,30 151.15,30.72 141.42,30.72 140.37,29.67 SW53.2
Net-(SW54B-DOUT): length 14.8
  Top w0.25: SW54.2 120.25,48.81 117.77,46.33 112.66,46.33 112.26,45.93 110.25,45.93
Net-(SW55B-DOUT): length 16.2
  Top w0.25: SW56.4 93.64,40.43 94.06,40.85 96.07,40.85 100.03,44.81 SW55.2
Net-(SW56B-DOUT): length 18.5
  Top w0.25: SW56.2 78.75,39.31 74.79,35.35 72.61,35.35 72.19,34.93 SW57.4
Net-(SW57B-DOUT): length 18.1
  Top w0.25: SW57.2 55.93,35.81 55.06,34.93 SW58.4
unconnected-(J11-Pad4): length 6
  Bottom w0.25: J11.4 211.23,103.55

## Copper pours and planes (outline as drawn; the poured copper is in the pictures)
GND on Bottom: -30.49,16.13 225.46,-5.89 231.24,162.42 4.74,160.65 -29.81,16.45
VCC on Top: -0.88,158.48 222.52,158.55 221.05,-5.28 -7.48,16.12 -0.2,158.16

## Text on the board
F.Silkscreen: JLCJLCJLCJLC
